# KiCad board helios-panel.kicad_pcb (continued)
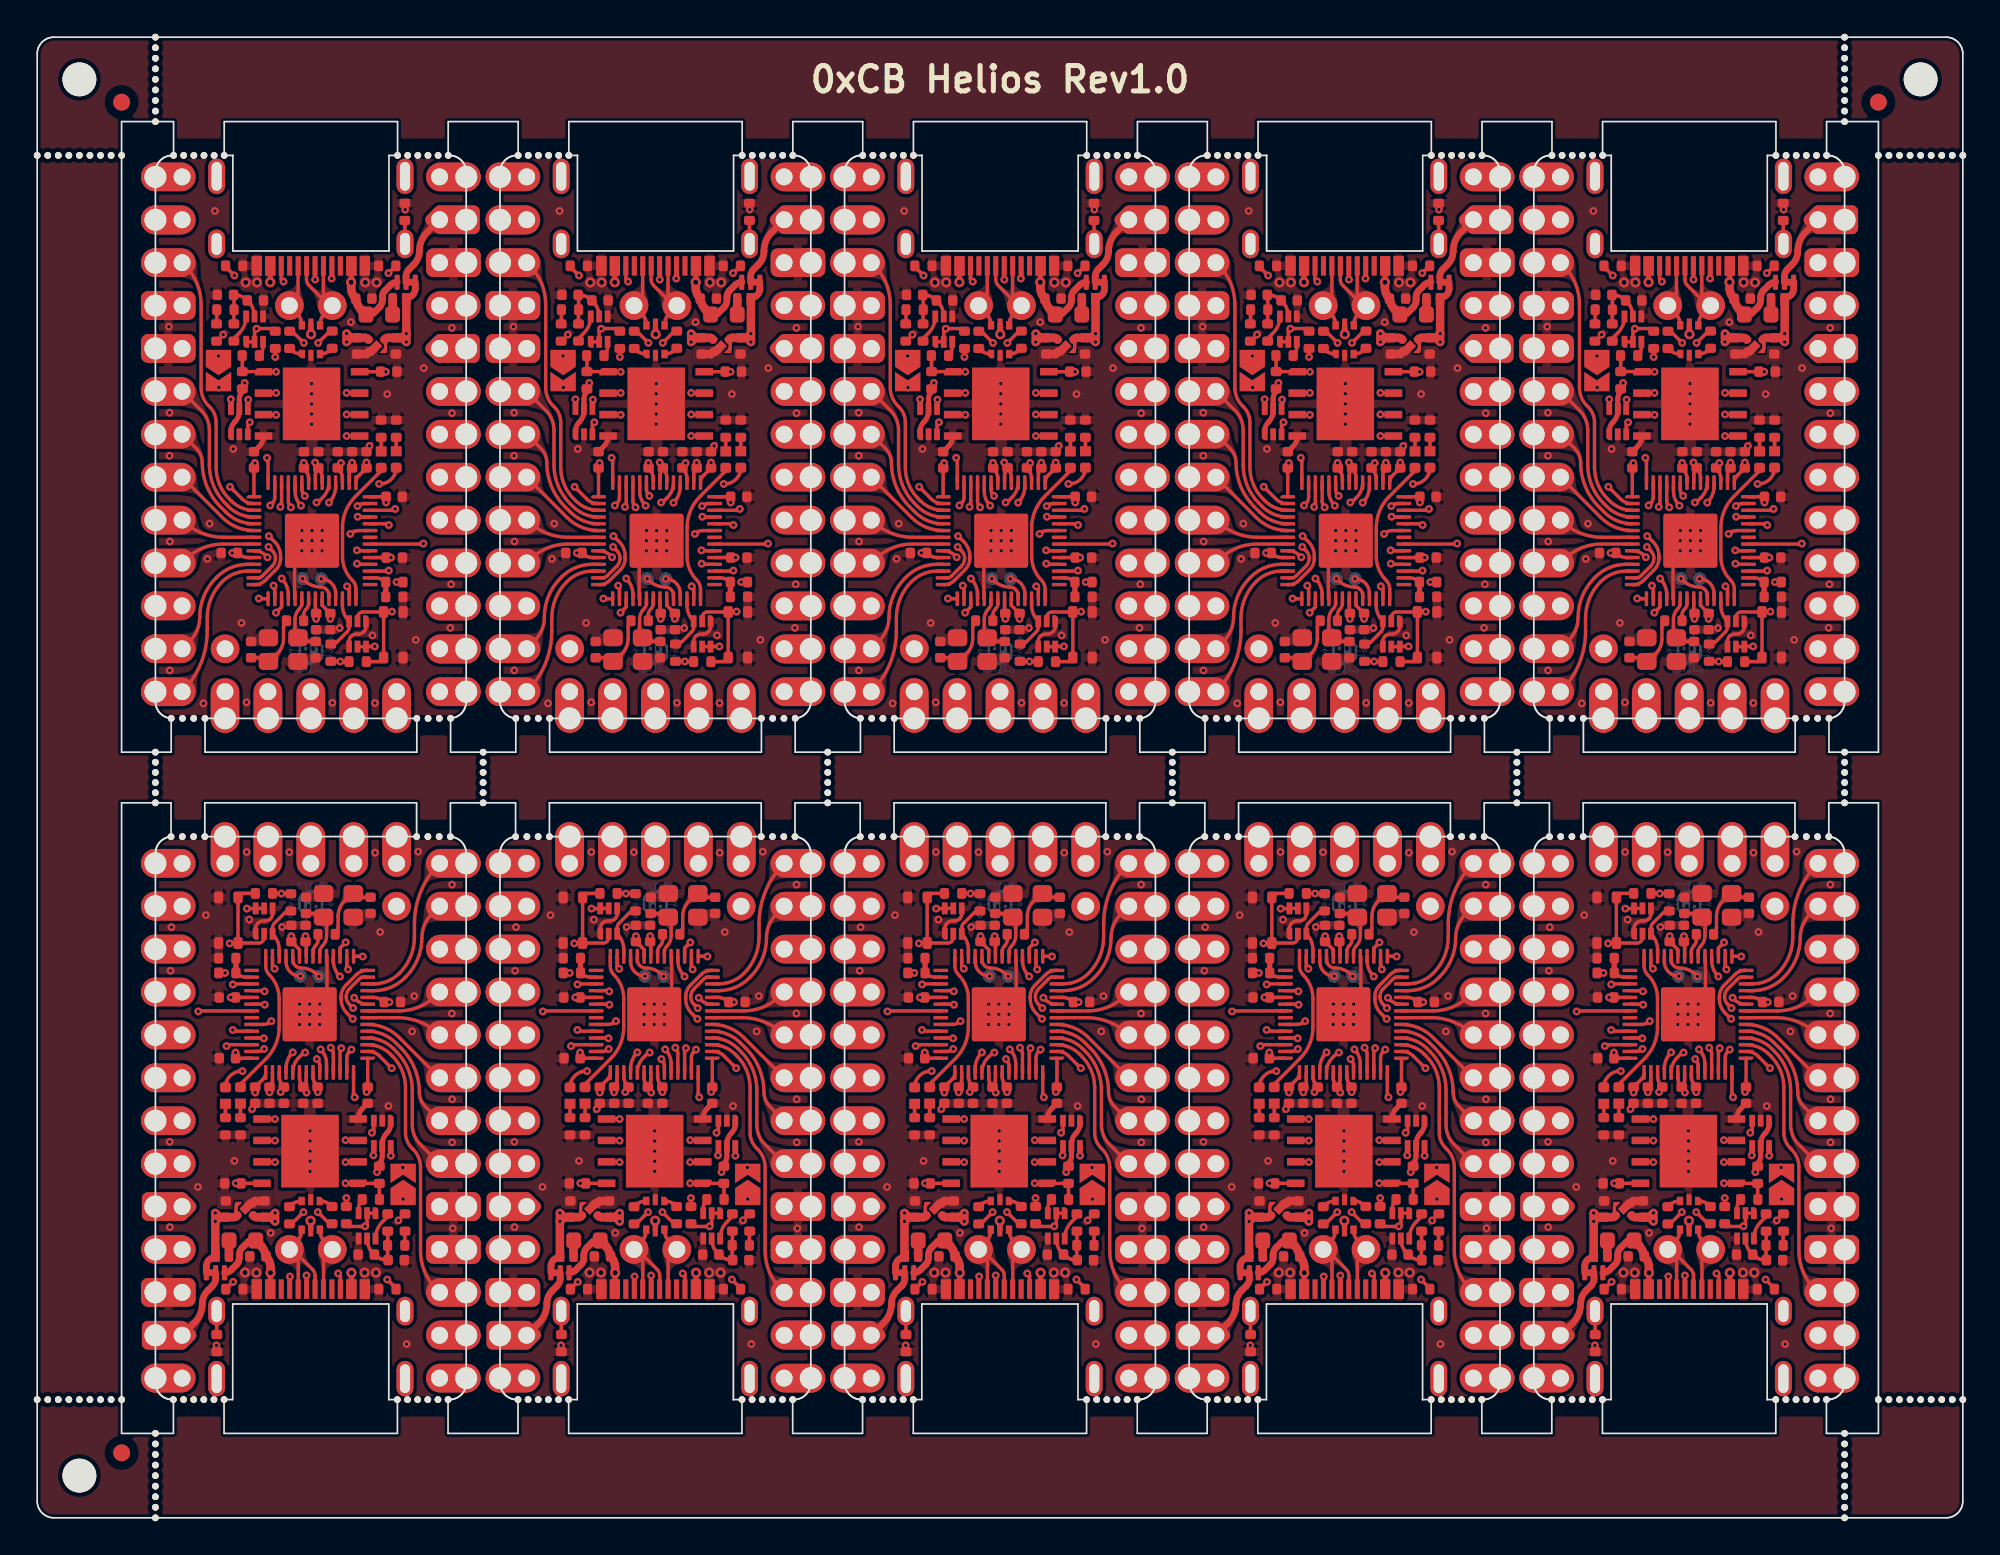
[diagram p0: board, top side]
## Copper pours and planes (outline as drawn; the poured copper is in the pictures) (continued)
Board_6-/14 on In1.Cu: 37.77,37.5 37.67,37.68 37.6,37.84 37.55,37.98 37.53,38.12 37.51,38.24 37.5,38.51 37.49,38.65 37.46,38.81 37.41,38.99 36.31,39.06 36.29,37.96 36.46,37.9 36.61,37.87 36.76,37.85 36.9,37.83 37.02,37.81 37.14,37.78 37.26,37.74 37.38,37.66 37.49,37.55 37.6,37.39
Board_6-/15 on In1.Cu: 35.33,37.63 35.19,37.78 35.1,37.91 35.04,38.04 35,38.17 34.98,38.29 34.97,38.42 34.96,38.55 34.94,38.7 34.91,38.85 34.86,39.03 33.76,39.05 33.78,37.95 33.96,37.9 34.11,37.87 34.26,37.85 34.39,37.84 34.52,37.83 34.64,37.81 34.77,37.77 34.9,37.71 35.03,37.62 35.18,37.48
Board_6-/16 on In1.Cu: 32.77,37.58 32.65,37.74 32.56,37.89 32.51,38.03 32.47,38.16 32.45,38.29 32.44,38.41 32.43,38.55 32.41,38.69 32.38,38.85 32.32,39.03 31.22,39.05 31.24,37.95 31.42,37.9 31.57,37.87 31.72,37.85 31.86,37.84 31.99,37.83 32.11,37.81 32.23,37.77 32.35,37.7 32.48,37.6 32.61,37.45
Board_6-/20_SDI on In1.Cu: 30.25,32.55 30.11,32.7 30.02,32.83 29.96,32.96 29.92,33.09 29.9,33.21 29.89,33.34 29.88,33.47 29.86,33.62 29.83,33.77 29.78,33.95 28.68,33.97 28.7,32.87 28.88,32.82 29.03,32.79 29.18,32.77 29.31,32.76 29.44,32.75 29.56,32.73 29.69,32.69 29.82,32.63 29.95,32.54 30.1,32.4
Board_6-/21_CS on In1.Cu: 30.25,37.63 30.11,37.78 30.02,37.91 29.96,38.04 29.92,38.17 29.9,38.29 29.89,38.42 29.88,38.55 29.86,38.7 29.83,38.85 29.78,39.03 28.68,39.05 28.7,37.95 28.88,37.9 29.03,37.87 29.18,37.85 29.31,37.84 29.44,37.83 29.56,37.81 29.69,37.77 29.82,37.71 29.95,37.62 30.1,37.48
Board_6-/22_SCK on In1.Cu: 30.49,30.47 30.32,30.51 30.19,30.57 30.09,30.65 30.02,30.74 29.97,30.85 29.93,30.97 29.89,31.1 29.85,31.23 29.8,31.38 29.73,31.53 28.64,31.38 28.85,30.29 29.04,30.27 29.21,30.26 29.35,30.26 29.49,30.27 29.75,30.3 29.89,30.31 30.05,30.31 30.23,30.3 30.45,30.27
Board_6-/23_SDO on In2.Cu: 30,34.84 29.94,35.05 29.9,35.22 29.88,35.38 29.88,35.52 29.87,35.65 29.88,35.78 29.87,35.91 29.87,36.06 29.85,36.22 29.81,36.41 28.71,36.54 28.62,35.44 28.79,35.38 28.94,35.33 29.08,35.31 29.22,35.28 29.35,35.25 29.46,35.22 29.57,35.16 29.66,35.07 29.74,34.94 29.81,34.78
Board_6-/A0 on In1.Cu: 30.63,28.98 30.41,29 30.22,29.03 30.07,29.07 29.93,29.12 29.81,29.18 29.69,29.25 29.57,29.31 29.42,29.36 29.26,29.41 29.06,29.44 28.58,28.44 29.59,28 29.7,28.12 29.79,28.24 29.94,28.46 30.02,28.55 30.1,28.63 30.2,28.69 30.31,28.74 30.46,28.77 30.63,28.78
Board_6-/A1 on In1.Cu: 30.1,27.32 29.95,27.18 29.82,27.09 29.69,27.03 29.56,26.99 29.44,26.97 29.31,26.96 29.18,26.95 29.03,26.93 28.88,26.9 28.7,26.85 28.68,25.75 29.78,25.77 29.83,25.95 29.86,26.1 29.88,26.25 29.89,26.38 29.9,26.51 29.92,26.63 29.96,26.76 30.02,26.89 30.11,27.02 30.25,27.17
Board_6-/A2 on In1.Cu: 30.1,24.78 29.95,24.64 29.82,24.55 29.69,24.49 29.56,24.45 29.44,24.43 29.31,24.42 29.18,24.41 29.03,24.39 28.88,24.36 28.7,24.31 28.68,23.21 29.78,23.23 29.83,23.41 29.86,23.56 29.88,23.71 29.89,23.84 29.9,23.97 29.92,24.09 29.96,24.22 30.02,24.35 30.11,24.48 30.25,24.63
Board_6-/A3 on In1.Cu: 30.1,22.24 29.95,22.1 29.82,22.01 29.69,21.95 29.56,21.91 29.44,21.89 29.31,21.88 29.18,21.87 29.03,21.85 28.88,21.82 28.7,21.77 28.68,20.67 29.78,20.69 29.83,20.87 29.86,21.02 29.88,21.17 29.89,21.3 29.9,21.43 29.92,21.55 29.96,21.68 30.02,21.81 30.11,21.94 30.25,22.09
Board_6-/PORT+ on Top: 37.03,17.06 37.04,16.97 37.06,16.88 37.08,16.8 37.11,16.72 37.15,16.65 37.18,16.6 37.26,16.48 38.13,15.56 37.44,16.62 37.36,16.71 37.33,16.75 37.3,16.8 37.28,16.86 37.25,16.92 37.24,16.99 37.23,17.06
Board_6-/PORT+ on Top: 37.45,14.35 37.47,14.51 37.5,14.63 37.55,14.73 37.61,14.81 37.69,14.87 37.79,14.92 37.89,14.97 38.01,15.02 38.13,15.07 38.26,15.13 38.13,16.23 37.02,15.89 37.03,15.7 37.04,15.54 37.07,15.4 37.1,15.28 37.17,15.03 37.2,14.9 37.23,14.75 37.25,14.57 37.26,14.35
Board_6-/PORT+ on In1.Cu: 36.66,14.7 36.8,14.83 36.94,14.92 37.06,14.98 37.18,15.01 37.3,15.02 37.43,15.02 37.56,15.02 37.7,15.02 37.86,15.03 38.04,15.06 38.21,16.15 37.11,16.28 37.03,16.1 36.98,15.94 36.95,15.8 36.9,15.54 36.87,15.41 36.83,15.28 36.76,15.14 36.66,15 36.52,14.84
Board_6-/PORT- on Top: 35.95,14.36 35.96,14.58 35.98,14.75 36,14.91 36.03,15.04 36.1,15.28 36.13,15.4 36.16,15.54 36.17,15.7 36.18,15.89 35.07,16.23 34.95,15.13 35.08,15.07 35.32,14.97 35.43,14.92 35.52,14.87 35.6,14.81 35.67,14.73 35.71,14.64 35.74,14.51 35.76,14.36
Board_6-/PORT- on Top: 36.69,14.86 36.55,15.01 36.45,15.16 36.38,15.29 36.33,15.42 36.3,15.55 36.25,15.82 36.22,15.96 36.16,16.12 36.08,16.29 34.99,16.14 35.18,15.05 35.35,15.03 35.51,15.02 35.65,15.03 35.78,15.03 35.91,15.03 36.03,15.02 36.15,14.99 36.27,14.93 36.4,14.84 36.55,14.72
Board_6-/PORT- on Top: 35.96,17.06 35.95,16.99 35.94,16.92 35.91,16.86 35.89,16.8 35.86,16.75 35.83,16.71 35.75,16.63 35.07,15.55 35.94,16.48 36.02,16.6 36.05,16.66 36.08,16.72 36.11,16.8 36.13,16.88 36.15,16.97 36.16,17.06
Board_6-/RAW on Top: 29.89,12.19 29.81,12.02 29.73,11.89 29.64,11.79 29.54,11.72 29.44,11.66 29.32,11.62 29.19,11.59 29.06,11.56 28.91,11.52 28.75,11.47 28.73,10.56 29.64,10.58 29.71,10.76 29.77,10.91 29.82,11.04 29.88,11.16 29.99,11.39 30.05,11.52 30.11,11.67 30.18,11.84 30.26,12.05
Board_6-/RESET on In2.Cu: 29.88,17.31 29.78,17.15 29.68,17.03 29.58,16.94 29.47,16.88 29.35,16.85 29.23,16.82 29.1,16.8 28.95,16.77 28.8,16.73 28.64,16.67 28.7,15.57 29.8,15.68 29.84,15.86 29.86,16.03 29.87,16.17 29.87,16.31 29.87,16.44 29.87,16.57 29.88,16.7 29.91,16.85 29.97,17.02 30.06,17.22
Board_6-/RGB_5V on In2.Cu: 41.42,34.52 41.51,34.71 41.61,34.87 41.7,34.99 41.79,35.1 41.89,35.19 41.98,35.27 42.08,35.37 42.18,35.47 42.29,35.6 42.4,35.76 41.72,36.63 40.88,35.92 40.94,35.76 41.02,35.62 41.1,35.5 41.17,35.39 41.24,35.28 41.29,35.17 41.32,35.05 41.32,34.92 41.3,34.77 41.23,34.6
Board_6-GND on Top: 31.02,18.28 31.01,19.28 34.4,19.28 34.4,18.28
Board_6-GND on Top, Bottom: 48.28,2.79 23.77,2.79 23.77,42.29 48.28,42.29
Board_6-Net-(C8-Pad2) on Top: 38.41,36.07 38.46,36.18 38.52,36.26 38.59,36.32 38.66,36.37 38.74,36.39 38.82,36.41 38.91,36.42 39.01,36.44 39.11,36.45 39.22,36.47 39.3,37.12 38.65,37.15 38.22,36.15
Board_6-Net-(J1-SHIELD) on Top: 31.13,11.25 31.14,11.36 31.15,11.46 31.17,11.54 31.21,11.61 31.24,11.67 31.29,11.73 31.33,11.79 31.38,11.86 31.43,11.93 31.48,12.03 31.02,12.49 30.58,12.02 30.63,11.93 30.68,11.85 30.73,11.78 30.77,11.73 30.82,11.67 30.85,11.61 30.88,11.54 30.91,11.46 30.92,11.36 30.93,11.25
Board_6-Net-(U4-XTAL_IN) on Top: 37.63,34.59 37.64,34.72 37.65,34.83 37.68,34.92 37.7,35 37.73,35.07 37.76,35.14 37.79,35.22 37.82,35.3 37.84,35.4 37.86,35.51 37.27,35.79 37.01,35.2 37.08,35.14 37.15,35.08 37.21,35.04 37.26,34.99 37.31,34.95 37.35,34.9 37.39,34.84 37.41,34.77 37.43,34.69 37.44,34.59
Board_7-+3V3 on In1.Cu, In2.Cu: 69.67,3.79 45.17,3.79 45.17,43.29 69.67,43.29
Board_7-/0_TX0 on In1.Cu: 63.82,12.37 63.92,12.2 63.98,12.05 64,11.91 64,11.78 63.98,11.66 63.94,11.53 63.9,11.4 63.85,11.26 63.81,11.1 63.78,10.92 64.75,10.41 65.23,11.4 65.08,11.54 64.95,11.65 64.82,11.74 64.7,11.81 64.59,11.88 64.47,11.96 64.36,12.04 64.24,12.16 64.12,12.3 63.99,12.48
Board_7-/1_RX0 on Top: 63.58,14.71 63.65,14.51 63.69,14.33 63.71,14.18 63.72,14.04 63.72,13.91 63.72,13.78 63.72,13.64 63.73,13.5 63.75,13.34 63.79,13.15 64.89,13.02 64.97,14.12 64.81,14.19 64.66,14.23 64.51,14.25 64.38,14.28 64.25,14.3 64.13,14.34 64.02,14.4 63.93,14.49 63.84,14.61 63.77,14.78
Board_7-/2_SDA1 on Top: 62.97,22.81 63.05,22.52 63.14,22.27 63.23,22.07 63.31,21.89 63.39,21.73 63.48,21.57 63.56,21.41 63.64,21.22 63.72,21.01 63.8,20.75 64.92,20.67 64.9,21.77 64.65,21.85 64.41,21.91 64.19,21.95 63.99,22 63.81,22.06 63.64,22.14 63.49,22.25 63.36,22.4 63.25,22.6 63.16,22.86
Board_7-/3_SCL1 on Top: 63.33,25.09 63.36,24.86 63.4,24.66 63.45,24.5 63.5,24.36 63.56,24.23 63.61,24.1 63.66,23.96 63.71,23.82 63.75,23.64 63.77,23.43 64.92,23.21 64.9,24.31 64.7,24.37 64.51,24.41 64.32,24.44 64.15,24.47 63.99,24.5 63.85,24.56 63.73,24.63 63.64,24.75 63.57,24.9 63.53,25.11
Board_7-/4 on Top: 63.35,27.17 63.49,27.02 63.58,26.89 63.64,26.76 63.68,26.63 63.7,26.51 63.71,26.38 63.72,26.25 63.74,26.1 63.77,25.95 63.82,25.77 64.92,25.75 64.9,26.85 64.72,26.9 64.57,26.93 64.42,26.95 64.29,26.96 64.16,26.97 64.04,26.99 63.91,27.03 63.78,27.09 63.65,27.18 63.5,27.32
Board_7-/5 on Top: 63.15,29.36 63.32,29.3 63.44,29.22 63.54,29.13 63.6,29.03 63.65,28.92 63.68,28.79 63.71,28.66 63.74,28.52 63.79,28.37 63.86,28.22 64.95,28.33 64.8,29.42 64.61,29.45 64.44,29.47 64.29,29.47 64.16,29.46 64.03,29.46 63.9,29.45 63.76,29.45 63.6,29.46 63.42,29.5 63.21,29.55
Board_7-/6 on Top: 63.26,30.09 63.47,30.15 63.65,30.19 63.8,30.22 63.94,30.23 64.07,30.23 64.2,30.23 64.33,30.23 64.47,30.24 64.64,30.26 64.83,30.31 64.95,31.4 63.85,31.48 63.78,31.32 63.74,31.16 63.72,31.02 63.69,30.88 63.67,30.75 63.63,30.64 63.57,30.53 63.49,30.43 63.36,30.35 63.2,30.28
Board_7-/7 on In2.Cu: 62.98,33.3 63.16,33.35 63.32,33.37 63.45,33.35 63.57,33.31 63.68,33.26 63.79,33.19 63.9,33.11 64.02,33.03 64.15,32.95 64.31,32.88 65.04,33.7 64.19,34.4 64.03,34.3 63.9,34.2 63.79,34.1 63.7,34 63.61,33.91 63.51,33.82 63.41,33.73 63.28,33.65 63.12,33.57 62.92,33.49
Board_7-/8 on Top: 63.74,34.82 63.8,34.99 63.87,35.11 63.97,35.19 64.07,35.25 64.19,35.28 64.33,35.3 64.47,35.32 64.62,35.34 64.78,35.37 64.94,35.42 64.9,36.53 63.8,36.42 63.75,36.24 63.72,36.08 63.7,35.93 63.69,35.8 63.67,35.55 63.65,35.41 63.63,35.26 63.59,35.08 63.54,34.87
Board_7-/9 on Top: 63.73,37.33 63.82,37.49 63.92,37.61 64.02,37.7 64.13,37.75 64.25,37.79 64.37,37.82 64.51,37.84 64.65,37.87 64.8,37.91 64.97,37.97 64.89,39.07 63.8,38.96 63.76,38.77 63.74,38.61 63.73,38.46 63.73,38.33 63.74,38.2 63.73,38.07 63.72,37.93 63.69,37.78 63.63,37.61 63.55,37.41
Board_7-/10 on In2.Cu: 63.59,9.64 63.67,9.44 63.71,9.26 63.74,9.11 63.75,8.97 63.74,8.84 63.74,8.71 63.73,8.57 63.74,8.43 63.76,8.26 63.79,8.07 64.89,7.94 64.98,9.04 64.82,9.11 64.67,9.15 64.52,9.18 64.39,9.21 64.27,9.24 64.15,9.28 64.05,9.34 63.95,9.43 63.86,9.55 63.78,9.72
Board_7-/11 on In1.Cu: 50.21,9.72 50.13,9.55 50.05,9.43 49.95,9.34 49.84,9.28 49.73,9.24 49.61,9.21 49.47,9.18 49.33,9.15 49.18,9.1 49.02,9.04 49.11,7.94 50.21,8.07 50.24,8.26 50.26,8.43 50.26,8.58 50.26,8.71 50.25,8.84 50.25,8.97 50.26,9.11 50.28,9.26 50.33,9.44 50.4,9.64
Board_7-/12 on In1.Cu: 61.13,37.36 61.23,37.52 61.34,37.63 61.45,37.71 61.57,37.77 61.69,37.8 61.81,37.82 61.94,37.84 62.09,37.87 62.24,37.91 62.41,37.97 62.36,39.07 61.26,38.98 61.22,38.79 61.2,38.63 61.19,38.49 61.19,38.22 61.18,38.09 61.16,37.96 61.12,37.81 61.05,37.65 60.95,37.46
Board_7-/13 on In1.Cu: 59.64,37.06 59.65,37.26 59.68,37.42 59.73,37.56 59.79,37.67 59.87,37.78 59.95,37.87 60.04,37.97 60.13,38.09 60.22,38.22 60.31,38.38 59.54,39.17 58.78,38.38 58.86,38.22 58.95,38.09 59.04,37.97 59.13,37.87 59.21,37.78 59.29,37.67 59.35,37.56 59.4,37.42 59.43,37.26 59.44,37.06
Board_7-/14 on In1.Cu: 58.17,37.5 58.07,37.68 58,37.84 57.95,37.98 57.93,38.12 57.91,38.24 57.9,38.51 57.89,38.65 57.86,38.81 57.81,38.99 56.71,39.06 56.69,37.96 56.86,37.9 57.01,37.87 57.16,37.85 57.3,37.83 57.42,37.81 57.54,37.78 57.66,37.74 57.78,37.66 57.89,37.55 58,37.39
Board_7-/15 on In1.Cu: 55.73,37.63 55.59,37.78 55.5,37.91 55.44,38.04 55.4,38.17 55.38,38.29 55.37,38.42 55.36,38.55 55.34,38.7 55.31,38.85 55.26,39.03 54.16,39.05 54.18,37.95 54.36,37.9 54.51,37.87 54.66,37.85 54.79,37.84 54.92,37.83 55.04,37.81 55.17,37.77 55.3,37.71 55.43,37.62 55.58,37.48
Board_7-/16 on In1.Cu: 53.17,37.58 53.05,37.74 52.96,37.89 52.91,38.03 52.87,38.16 52.85,38.29 52.84,38.41 52.83,38.55 52.81,38.69 52.78,38.85 52.72,39.03 51.62,39.05 51.64,37.95 51.82,37.9 51.97,37.87 52.12,37.85 52.26,37.84 52.39,37.83 52.51,37.81 52.63,37.77 52.75,37.7 52.88,37.6 53.01,37.45
Board_7-/20_SDI on In1.Cu: 50.65,32.55 50.51,32.7 50.42,32.83 50.36,32.96 50.32,33.09 50.3,33.21 50.29,33.34 50.28,33.47 50.26,33.62 50.23,33.77 50.18,33.95 49.08,33.97 49.1,32.87 49.28,32.82 49.43,32.79 49.58,32.77 49.71,32.76 49.84,32.75 49.96,32.73 50.09,32.69 50.22,32.63 50.35,32.54 50.5,32.4
Board_7-/21_CS on In1.Cu: 50.65,37.63 50.51,37.78 50.42,37.91 50.36,38.04 50.32,38.17 50.3,38.29 50.29,38.42 50.28,38.55 50.26,38.7 50.23,38.85 50.18,39.03 49.08,39.05 49.1,37.95 49.28,37.9 49.43,37.87 49.58,37.85 49.71,37.84 49.84,37.83 49.96,37.81 50.09,37.77 50.22,37.71 50.35,37.62 50.5,37.48
Board_7-/22_SCK on In1.Cu: 50.89,30.47 50.72,30.51 50.59,30.57 50.49,30.65 50.42,30.74 50.37,30.85 50.33,30.97 50.29,31.1 50.25,31.23 50.2,31.38 50.13,31.53 49.04,31.38 49.25,30.29 49.44,30.27 49.61,30.26 49.75,30.26 49.89,30.27 50.15,30.3 50.29,30.31 50.45,30.31 50.63,30.3 50.85,30.27
Board_7-/23_SDO on In2.Cu: 50.4,34.84 50.34,35.05 50.3,35.22 50.28,35.38 50.28,35.52 50.27,35.65 50.28,35.78 50.27,35.91 50.27,36.06 50.25,36.22 50.21,36.41 49.11,36.54 49.02,35.44 49.19,35.38 49.34,35.33 49.48,35.31 49.62,35.28 49.75,35.25 49.86,35.22 49.97,35.16 50.06,35.07 50.14,34.94 50.21,34.78
Board_7-/A0 on In1.Cu: 51.03,28.98 50.81,29 50.62,29.03 50.47,29.07 50.33,29.12 50.21,29.18 50.09,29.25 49.97,29.31 49.82,29.36 49.66,29.41 49.46,29.44 48.98,28.44 49.99,28 50.1,28.12 50.19,28.24 50.34,28.46 50.42,28.55 50.5,28.63 50.6,28.69 50.71,28.74 50.86,28.77 51.03,28.78
Board_7-/A1 on In1.Cu: 50.5,27.32 50.35,27.18 50.22,27.09 50.09,27.03 49.96,26.99 49.84,26.97 49.71,26.96 49.58,26.95 49.43,26.93 49.28,26.9 49.1,26.85 49.08,25.75 50.18,25.77 50.23,25.95 50.26,26.1 50.28,26.25 50.29,26.38 50.3,26.51 50.32,26.63 50.36,26.76 50.42,26.89 50.51,27.02 50.65,27.17
Board_7-/A2 on In1.Cu: 50.5,24.78 50.35,24.64 50.22,24.55 50.09,24.49 49.96,24.45 49.84,24.43 49.71,24.42 49.58,24.41 49.43,24.39 49.28,24.36 49.1,24.31 49.08,23.21 50.18,23.23 50.23,23.41 50.26,23.56 50.28,23.71 50.29,23.84 50.3,23.97 50.32,24.09 50.36,24.22 50.42,24.35 50.51,24.48 50.65,24.63
Board_7-/A3 on In1.Cu: 50.5,22.24 50.35,22.1 50.22,22.01 50.09,21.95 49.96,21.91 49.84,21.89 49.71,21.88 49.58,21.87 49.43,21.85 49.28,21.82 49.1,21.77 49.08,20.67 50.18,20.69 50.23,20.87 50.26,21.02 50.28,21.17 50.29,21.3 50.3,21.43 50.32,21.55 50.36,21.68 50.42,21.81 50.51,21.94 50.65,22.09
Board_7-/PORT+ on Top: 57.43,17.06 57.44,16.97 57.46,16.88 57.48,16.8 57.51,16.72 57.55,16.65 57.58,16.6 57.66,16.48 58.53,15.56 57.84,16.62 57.76,16.71 57.73,16.75 57.7,16.8 57.68,16.86 57.65,16.92 57.64,16.99 57.63,17.06
Board_7-/PORT+ on Top: 57.86,14.35 57.87,14.51 57.9,14.63 57.95,14.73 58.01,14.81 58.09,14.87 58.19,14.92 58.29,14.97 58.41,15.02 58.53,15.07 58.66,15.13 58.53,16.23 57.42,15.89 57.43,15.7 57.44,15.54 57.47,15.4 57.5,15.28 57.57,15.03 57.6,14.9 57.63,14.75 57.65,14.57 57.66,14.35
Board_7-/PORT+ on In1.Cu: 57.06,14.7 57.2,14.83 57.34,14.92 57.46,14.98 57.58,15.01 57.7,15.02 57.83,15.02 57.96,15.02 58.1,15.02 58.26,15.03 58.44,15.06 58.61,16.15 57.51,16.28 57.43,16.1 57.38,15.94 57.35,15.8 57.3,15.54 57.27,15.41 57.23,15.28 57.16,15.14 57.06,15 56.92,14.84
Board_7-/PORT- on Top: 56.36,14.36 56.36,14.58 56.38,14.75 56.4,14.91 56.43,15.04 56.5,15.28 56.53,15.4 56.56,15.54 56.57,15.7 56.58,15.89 55.47,16.23 55.35,15.13 55.48,15.07 55.72,14.97 55.83,14.92 55.92,14.87 56,14.81 56.07,14.73 56.11,14.64 56.14,14.51 56.16,14.36
Board_7-/PORT- on Top: 57.09,14.86 56.95,15.01 56.85,15.16 56.78,15.29 56.73,15.42 56.7,15.55 56.65,15.82 56.62,15.96 56.56,16.12 56.48,16.29 55.39,16.14 55.58,15.05 55.75,15.03 55.91,15.02 56.05,15.03 56.18,15.03 56.31,15.03 56.43,15.02 56.55,14.99 56.67,14.93 56.8,14.84 56.95,14.72
Board_7-/PORT- on Top: 56.36,17.06 56.35,16.99 56.34,16.92 56.31,16.86 56.29,16.8 56.26,16.75 56.23,16.71 56.15,16.63 55.47,15.55 56.34,16.48 56.42,16.6 56.45,16.66 56.48,16.72 56.51,16.8 56.53,16.88 56.55,16.97 56.56,17.06
Board_7-/RAW on Top: 50.29,12.19 50.21,12.02 50.13,11.89 50.04,11.79 49.94,11.72 49.84,11.66 49.72,11.62 49.59,11.59 49.46,11.56 49.31,11.52 49.15,11.47 49.13,10.56 50.04,10.58 50.11,10.76 50.17,10.91 50.22,11.04 50.28,11.16 50.39,11.39 50.45,11.52 50.51,11.67 50.58,11.84 50.66,12.05
Board_7-/RESET on In2.Cu: 50.28,17.31 50.18,17.15 50.08,17.03 49.98,16.94 49.87,16.88 49.75,16.85 49.63,16.82 49.5,16.8 49.35,16.77 49.2,16.73 49.04,16.67 49.1,15.57 50.2,15.68 50.24,15.86 50.26,16.03 50.27,16.17 50.27,16.31 50.27,16.44 50.27,16.57 50.28,16.7 50.31,16.85 50.37,17.02 50.46,17.22
Board_7-/RGB_5V on In2.Cu: 61.82,34.52 61.91,34.71 62.01,34.87 62.1,34.99 62.19,35.1 62.29,35.19 62.38,35.27 62.48,35.37 62.58,35.47 62.69,35.6 62.8,35.76 62.12,36.63 61.28,35.92 61.34,35.76 61.42,35.62 61.5,35.5 61.57,35.39 61.64,35.28 61.69,35.17 61.72,35.05 61.72,34.92 61.7,34.77 61.63,34.6
Board_7-GND on Top: 51.42,18.28 51.41,19.28 54.8,19.28 54.8,18.28
Board_7-GND on Top, Bottom: 68.67,2.79 44.17,2.79 44.17,42.29 68.67,42.29
Board_7-Net-(C8-Pad2) on Top: 58.81,36.07 58.86,36.18 58.92,36.26 58.99,36.32 59.06,36.37 59.14,36.39 59.22,36.41 59.31,36.42 59.41,36.44 59.51,36.45 59.62,36.47 59.7,37.12 59.05,37.15 58.62,36.15
Board_7-Net-(J1-SHIELD) on Top: 51.53,11.25 51.54,11.36 51.55,11.46 51.57,11.54 51.61,11.61 51.64,11.67 51.69,11.73 51.73,11.79 51.78,11.86 51.83,11.93 51.88,12.03 51.42,12.49 50.98,12.02 51.03,11.93 51.08,11.85 51.13,11.78 51.17,11.73 51.22,11.67 51.25,11.61 51.28,11.54 51.31,11.46 51.32,11.36 51.33,11.25
Board_7-Net-(U4-XTAL_IN) on Top: 58.03,34.59 58.04,34.72 58.05,34.83 58.08,34.92 58.1,35 58.13,35.07 58.16,35.14 58.19,35.22 58.22,35.3 58.24,35.4 58.26,35.51 57.67,35.79 57.41,35.2 57.48,35.14 57.55,35.08 57.61,35.04 57.66,34.99 57.71,34.95 57.75,34.9 57.79,34.84 57.81,34.77 57.83,34.69 57.83,34.59
Board_8-+3V3 on In1.Cu, In2.Cu: 90.08,3.79 65.58,3.79 65.58,43.29 90.08,43.29
Board_8-/0_TX0 on In1.Cu: 84.22,12.37 84.32,12.2 84.38,12.05 84.4,11.91 84.4,11.78 84.38,11.66 84.34,11.53 84.3,11.4 84.25,11.26 84.21,11.1 84.18,10.92 85.15,10.41 85.63,11.4 85.48,11.54 85.35,11.65 85.22,11.74 85.1,11.81 84.99,11.88 84.87,11.96 84.76,12.04 84.64,12.16 84.52,12.3 84.39,12.48
Board_8-/1_RX0 on Top: 83.98,14.71 84.05,14.51 84.09,14.33 84.11,14.18 84.12,14.04 84.12,13.91 84.12,13.78 84.12,13.64 84.13,13.5 84.15,13.34 84.19,13.15 85.29,13.02 85.37,14.12 85.21,14.19 85.06,14.23 84.91,14.25 84.78,14.28 84.65,14.3 84.53,14.34 84.42,14.4 84.33,14.49 84.24,14.61 84.17,14.78
Board_8-/2_SDA1 on Top: 83.37,22.81 83.45,22.52 83.54,22.27 83.63,22.07 83.71,21.89 83.79,21.73 83.88,21.57 83.96,21.41 84.04,21.22 84.12,21.01 84.2,20.75 85.32,20.67 85.3,21.77 85.05,21.85 84.81,21.91 84.59,21.95 84.39,22 84.21,22.06 84.04,22.14 83.89,22.25 83.76,22.4 83.65,22.6 83.56,22.86
Board_8-/3_SCL1 on Top: 83.73,25.09 83.76,24.86 83.8,24.66 83.85,24.5 83.9,24.36 83.96,24.23 84.01,24.1 84.06,23.96 84.11,23.82 84.15,23.64 84.17,23.43 85.32,23.21 85.3,24.31 85.1,24.37 84.91,24.41 84.72,24.44 84.55,24.47 84.39,24.5 84.25,24.56 84.13,24.63 84.04,24.75 83.97,24.9 83.93,25.11
Board_8-/4 on Top: 83.75,27.17 83.89,27.02 83.98,26.89 84.04,26.76 84.08,26.63 84.1,26.51 84.11,26.38 84.12,26.25 84.14,26.1 84.17,25.95 84.22,25.77 85.32,25.75 85.3,26.85 85.12,26.9 84.97,26.93 84.82,26.95 84.69,26.96 84.56,26.97 84.44,26.99 84.31,27.03 84.18,27.09 84.05,27.18 83.9,27.32
Board_8-/5 on Top: 83.55,29.36 83.72,29.3 83.84,29.22 83.94,29.13 84,29.03 84.05,28.92 84.08,28.79 84.11,28.66 84.14,28.52 84.19,28.37 84.26,28.22 85.35,28.33 85.2,29.42 85.01,29.45 84.84,29.47 84.69,29.47 84.56,29.46 84.43,29.46 84.3,29.45 84.16,29.45 84,29.46 83.82,29.5 83.61,29.55
Board_8-/6 on Top: 83.66,30.09 83.87,30.15 84.05,30.19 84.2,30.22 84.34,30.23 84.47,30.23 84.6,30.23 84.73,30.23 84.87,30.24 85.04,30.26 85.23,30.31 85.35,31.4 84.25,31.48 84.18,31.32 84.14,31.16 84.12,31.02 84.09,30.88 84.07,30.75 84.03,30.64 83.97,30.53 83.89,30.43 83.76,30.35 83.6,30.28
Board_8-/7 on In2.Cu: 83.38,33.3 83.56,33.35 83.72,33.37 83.85,33.35 83.97,33.31 84.08,33.26 84.19,33.19 84.3,33.11 84.42,33.03 84.55,32.95 84.71,32.88 85.44,33.7 84.59,34.4 84.43,34.3 84.3,34.2 84.19,34.1 84.1,34 84.01,33.91 83.91,33.82 83.81,33.73 83.68,33.65 83.52,33.57 83.32,33.49
Board_8-/8 on Top: 84.14,34.82 84.2,34.99 84.27,35.11 84.37,35.19 84.47,35.25 84.59,35.28 84.73,35.3 84.87,35.32 85.02,35.34 85.18,35.37 85.34,35.42 85.3,36.53 84.2,36.42 84.15,36.24 84.12,36.08 84.1,35.93 84.09,35.8 84.07,35.55 84.05,35.41 84.03,35.26 83.99,35.08 83.94,34.87
Board_8-/9 on Top: 84.13,37.33 84.22,37.49 84.32,37.61 84.42,37.7 84.53,37.75 84.65,37.79 84.77,37.82 84.91,37.84 85.05,37.87 85.2,37.91 85.37,37.97 85.29,39.07 84.2,38.96 84.16,38.77 84.14,38.61 84.13,38.46 84.13,38.33 84.14,38.2 84.13,38.07 84.12,37.93 84.09,37.78 84.03,37.61 83.95,37.41
Board_8-/10 on In2.Cu: 83.99,9.64 84.07,9.44 84.11,9.26 84.14,9.11 84.15,8.97 84.14,8.84 84.14,8.71 84.13,8.57 84.14,8.43 84.16,8.26 84.19,8.07 85.29,7.94 85.38,9.04 85.22,9.11 85.07,9.15 84.92,9.18 84.79,9.21 84.67,9.24 84.55,9.28 84.45,9.34 84.35,9.43 84.26,9.55 84.18,9.72
Board_8-/11 on In1.Cu: 70.61,9.72 70.53,9.55 70.45,9.43 70.35,9.34 70.24,9.28 70.13,9.24 70.01,9.21 69.87,9.18 69.73,9.15 69.58,9.1 69.42,9.04 69.51,7.94 70.61,8.07 70.64,8.26 70.66,8.43 70.66,8.58 70.66,8.71 70.65,8.84 70.65,8.97 70.66,9.11 70.68,9.26 70.73,9.44 70.8,9.64
Board_8-/12 on In1.Cu: 81.53,37.36 81.63,37.52 81.74,37.63 81.85,37.71 81.97,37.77 82.09,37.8 82.21,37.82 82.34,37.84 82.49,37.87 82.64,37.91 82.81,37.97 82.76,39.07 81.66,38.98 81.62,38.79 81.6,38.63 81.59,38.49 81.59,38.22 81.58,38.09 81.56,37.96 81.52,37.81 81.45,37.65 81.35,37.46
Board_8-/13 on In1.Cu: 80.04,37.06 80.05,37.26 80.08,37.42 80.13,37.56 80.19,37.67 80.27,37.78 80.35,37.87 80.44,37.97 80.53,38.09 80.62,38.22 80.7,38.38 79.94,39.17 79.17,38.38 79.26,38.22 79.35,38.09 79.44,37.97 79.53,37.87 79.61,37.78 79.69,37.67 79.75,37.56 79.8,37.42 79.83,37.26 79.84,37.06
Board_8-/14 on In1.Cu: 78.57,37.5 78.47,37.68 78.4,37.84 78.35,37.98 78.33,38.12 78.31,38.24 78.3,38.51 78.29,38.65 78.26,38.81 78.21,38.99 77.11,39.06 77.09,37.96 77.26,37.9 77.41,37.87 77.56,37.85 77.7,37.83 77.82,37.81 77.94,37.78 78.06,37.74 78.18,37.66 78.29,37.55 78.4,37.39
Board_8-/15 on In1.Cu: 76.13,37.63 75.99,37.78 75.9,37.91 75.84,38.04 75.8,38.17 75.78,38.29 75.77,38.42 75.76,38.55 75.74,38.7 75.71,38.85 75.66,39.03 74.56,39.05 74.58,37.95 74.76,37.9 74.91,37.87 75.06,37.85 75.19,37.84 75.32,37.83 75.44,37.81 75.57,37.77 75.7,37.71 75.83,37.62 75.98,37.48
Board_8-/16 on In1.Cu: 73.57,37.58 73.45,37.74 73.36,37.89 73.31,38.03 73.27,38.16 73.25,38.29 73.24,38.41 73.23,38.55 73.21,38.69 73.18,38.85 73.12,39.03 72.02,39.05 72.04,37.95 72.22,37.9 72.37,37.87 72.52,37.85 72.66,37.84 72.79,37.83 72.91,37.81 73.03,37.77 73.15,37.7 73.28,37.6 73.41,37.45
Board_8-/20_SDI on In1.Cu: 71.05,32.55 70.91,32.7 70.82,32.83 70.76,32.96 70.72,33.09 70.7,33.21 70.69,33.34 70.68,33.47 70.66,33.62 70.63,33.77 70.58,33.95 69.48,33.97 69.5,32.87 69.68,32.82 69.83,32.79 69.98,32.77 70.11,32.76 70.24,32.75 70.36,32.73 70.49,32.69 70.62,32.63 70.75,32.54 70.9,32.4
Board_8-/21_CS on In1.Cu: 71.05,37.63 70.91,37.78 70.82,37.91 70.76,38.04 70.72,38.17 70.7,38.29 70.69,38.42 70.68,38.55 70.66,38.7 70.63,38.85 70.58,39.03 69.48,39.05 69.5,37.95 69.68,37.9 69.83,37.87 69.98,37.85 70.11,37.84 70.24,37.83 70.36,37.81 70.49,37.77 70.62,37.71 70.75,37.62 70.9,37.48
Board_8-/22_SCK on In1.Cu: 71.29,30.47 71.12,30.51 70.99,30.57 70.89,30.65 70.82,30.74 70.77,30.85 70.73,30.97 70.69,31.1 70.65,31.23 70.6,31.38 70.53,31.53 69.44,31.38 69.65,30.29 69.84,30.27 70.01,30.26 70.15,30.26 70.29,30.27 70.55,30.3 70.69,30.31 70.85,30.31 71.03,30.3 71.25,30.27
Board_8-/23_SDO on In2.Cu: 70.8,34.84 70.74,35.05 70.7,35.22 70.68,35.38 70.68,35.52 70.67,35.65 70.68,35.78 70.67,35.91 70.67,36.06 70.65,36.22 70.61,36.41 69.51,36.54 69.42,35.44 69.59,35.38 69.74,35.33 69.88,35.31 70.02,35.28 70.15,35.25 70.26,35.22 70.37,35.16 70.46,35.07 70.54,34.94 70.61,34.78
Board_8-/A0 on In1.Cu: 71.43,28.98 71.21,29 71.02,29.03 70.87,29.07 70.73,29.12 70.61,29.18 70.49,29.25 70.37,29.31 70.22,29.36 70.06,29.41 69.86,29.44 69.38,28.44 70.39,28 70.5,28.12 70.59,28.24 70.74,28.46 70.82,28.55 70.9,28.63 71,28.69 71.11,28.74 71.26,28.77 71.43,28.78
Board_8-/A1 on In1.Cu: 70.9,27.32 70.75,27.18 70.62,27.09 70.49,27.03 70.36,26.99 70.24,26.97 70.11,26.96 69.98,26.95 69.83,26.93 69.68,26.9 69.5,26.85 69.48,25.75 70.58,25.77 70.63,25.95 70.66,26.1 70.68,26.25 70.69,26.38 70.7,26.51 70.72,26.63 70.76,26.76 70.82,26.89 70.91,27.02 71.05,27.17
Board_8-/A2 on In1.Cu: 70.9,24.78 70.75,24.64 70.62,24.55 70.49,24.49 70.36,24.45 70.24,24.43 70.11,24.42 69.98,24.41 69.83,24.39 69.68,24.36 69.5,24.31 69.48,23.21 70.58,23.23 70.63,23.41 70.66,23.56 70.68,23.71 70.69,23.84 70.7,23.97 70.72,24.09 70.76,24.22 70.82,24.35 70.91,24.48 71.05,24.63
Board_8-/A3 on In1.Cu: 70.9,22.24 70.75,22.1 70.62,22.01 70.49,21.95 70.36,21.91 70.24,21.89 70.11,21.88 69.98,21.87 69.83,21.85 69.68,21.82 69.5,21.77 69.48,20.67 70.58,20.69 70.63,20.87 70.66,21.02 70.68,21.17 70.69,21.3 70.7,21.43 70.72,21.55 70.76,21.68 70.82,21.81 70.91,21.94 71.05,22.09
Board_8-/PORT+ on Top: 77.83,17.06 77.84,16.97 77.86,16.88 77.88,16.8 77.91,16.72 77.95,16.65 77.98,16.6 78.06,16.48 78.93,15.56 78.24,16.62 78.16,16.71 78.13,16.75 78.1,16.8 78.08,16.86 78.05,16.92 78.04,16.99 78.03,17.06
